# KiCad board Thor_20_expansion.kicad_pcb
title: QPlane Backplane for Sinclair QL; date: 2023-12-26; rev: 0.1; company: (C) 2023 Alvaro Alea Fdz.; note: https://ohwr.org/cern_ohl_s_v2.txt; note: CERN Open Hardware Licence Version 2 - Strongly Reciprocal; note: Under License
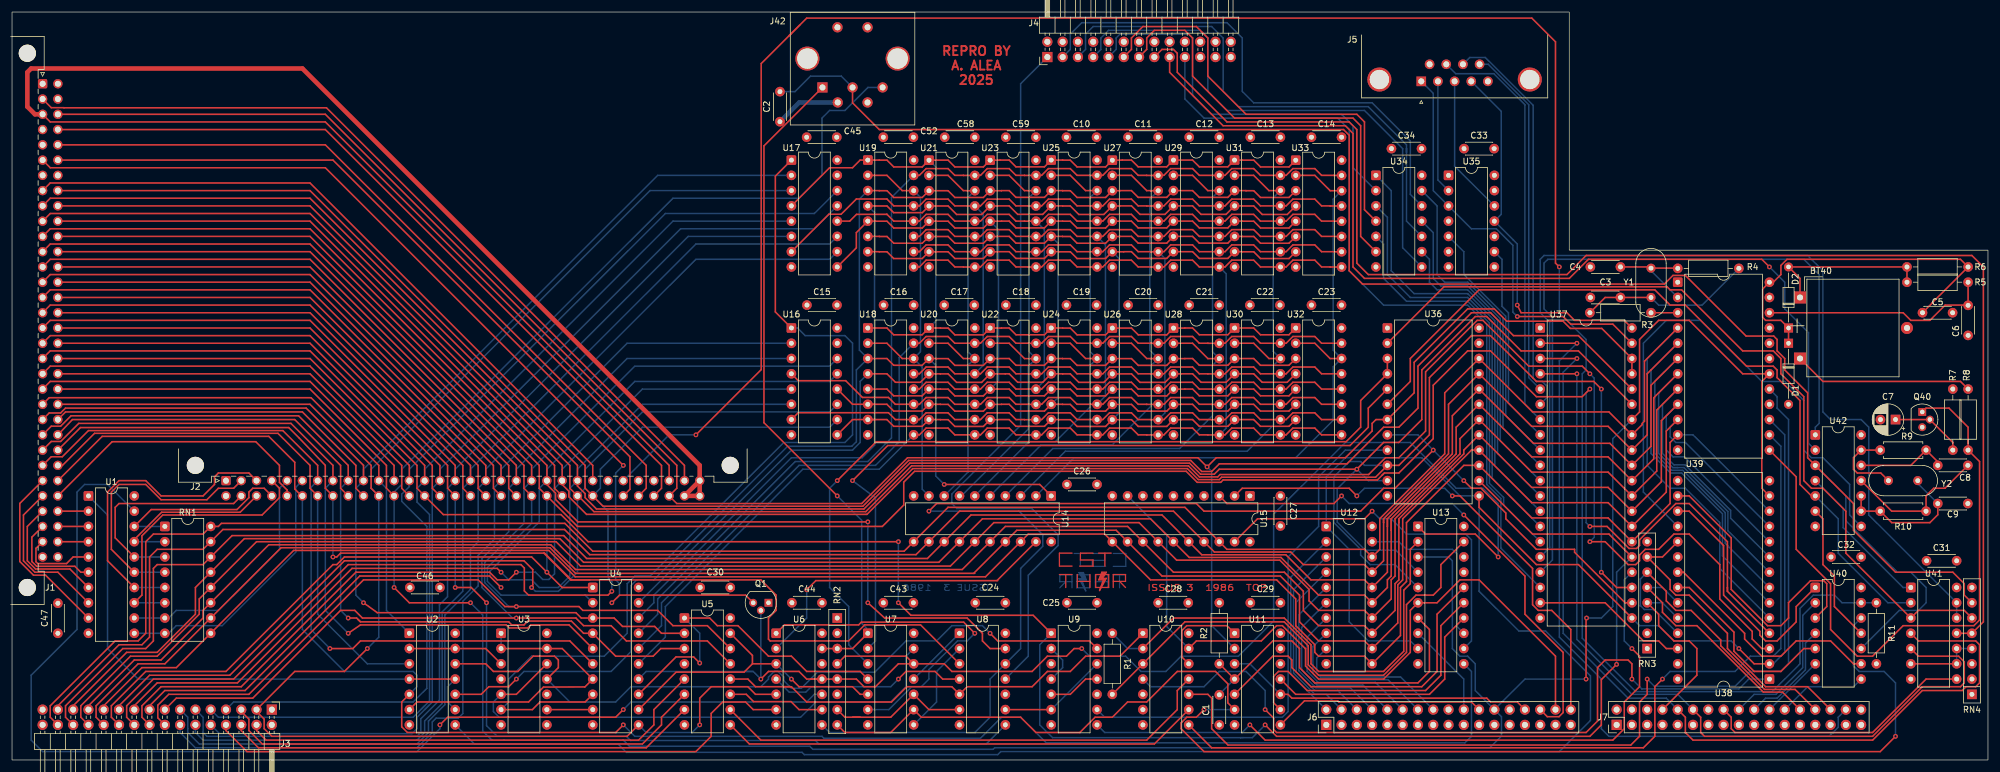
[diagram p0: board, top side]
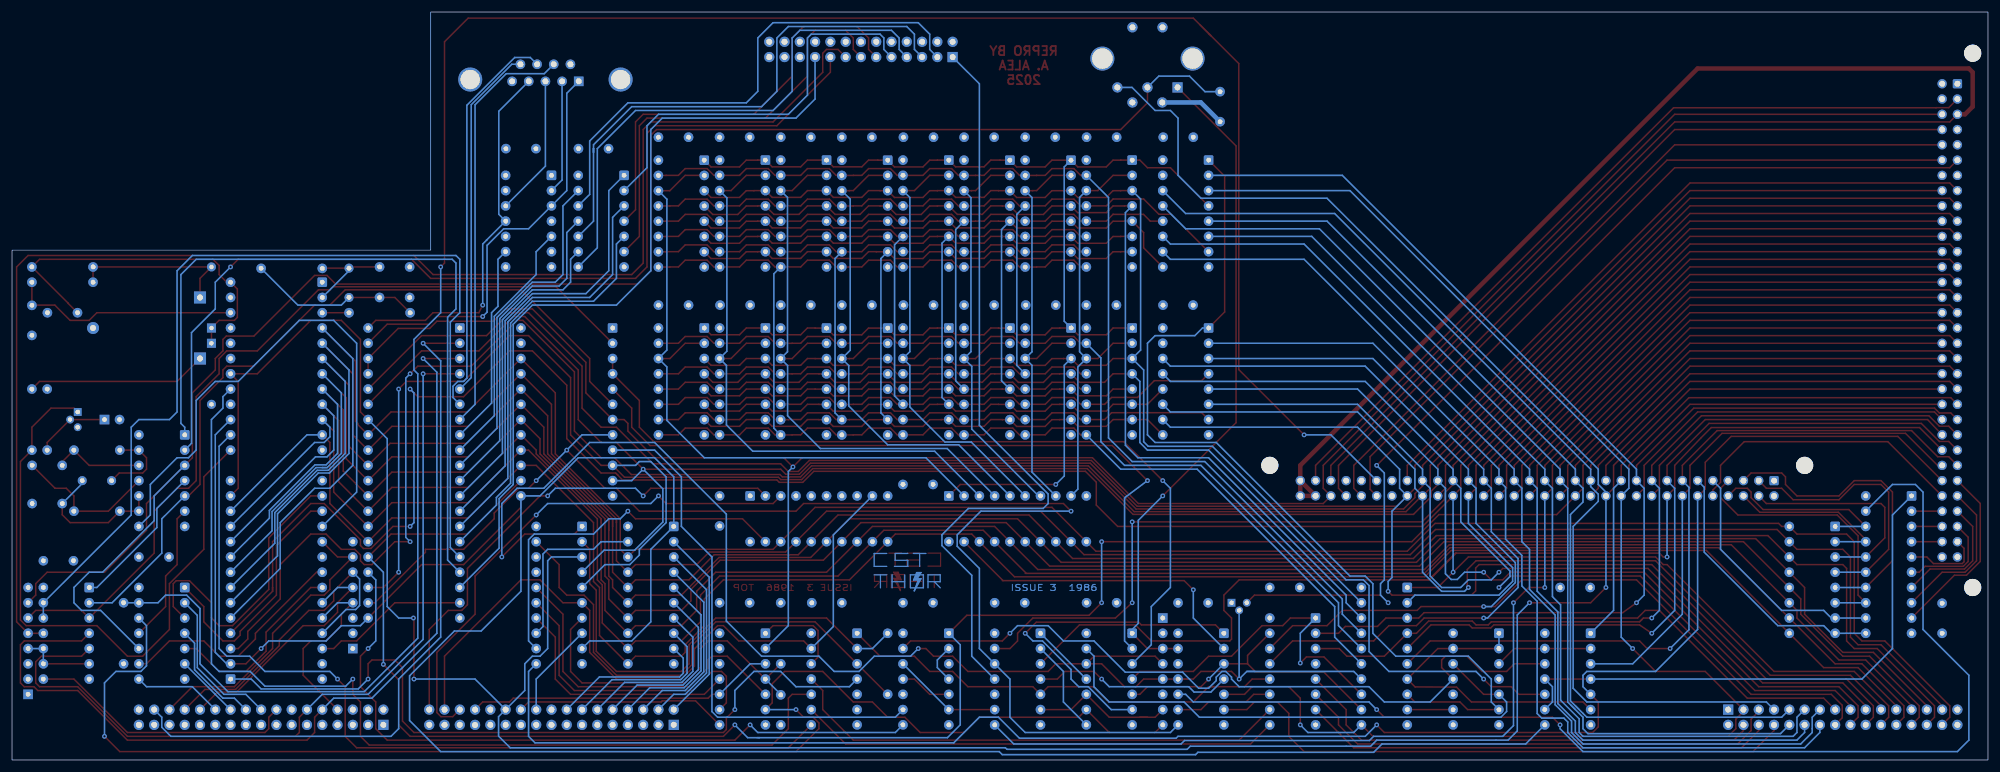
[diagram p1: board, bottom side, seen from below]

Outline 328.42 x 124.46 mm; copper layers: Top, In1.Cu, In2.Cu, Bottom. Coordinates in mm from the lower left corner of the outline.
Outline path: 0,0 328.42,0 328.42,84.84 258.83,84.84 258.83,124.46 0,124.46 closed
Stack: Top 0.035mm / dielectric 0.1mm FR4 er 4.5 / In1.Cu 0.035mm / dielectric 1.24mm FR4 er 4.5 / In2.Cu 0.035mm / dielectric 0.1mm FR4 er 4.5 / Bottom 0.035mm

## Placement (name value [footprint] x y rotation side)
BT40  Battery_Cell  [BatteryHolder_CST_Thor]  297.18 76.96 0 top
C1  100n  [C_Disc_D4.3mm_W1.9mm_P5.00mm]  200.66 5.84 90 top
C2  100n  [C_Disc_D4.3mm_W1.9mm_P5.00mm]  127.63 106.21 90 top
C3  100n  [C_Disc_D4.3mm_W1.9mm_P5.00mm]  267.34 76.96 180 top
C4  100n  [C_Disc_D4.3mm_W1.9mm_P5.00mm]  267.34 82.04 180 top
C5  100n  [C_Disc_D4.3mm_W1.9mm_P5.00mm]  317.54 74.42 0 top
C6  100n  [C_Disc_D4.3mm_W1.9mm_P5.00mm]  325.12 75.65 270 top
C7  C_Polarized  [CP_Radial_D5.0mm_P2.50mm]  313.06 56.64 180 top
C8  100n  [C_Disc_D4.3mm_W1.9mm_P5.00mm]  320.08 49.02 0 top
C9  100n  [C_Disc_D4.3mm_W1.9mm_P5.00mm]  325.08 42.67 180 top
C10  100n  [C_Disc_D4.3mm_W1.9mm_P5.00mm]  175.26 103.63 0 top
C11  100n  [C_Disc_D4.3mm_W1.9mm_P5.00mm]  185.5 103.63 0 top
C12  100n  [C_Disc_D4.3mm_W1.9mm_P5.00mm]  195.66 103.63 0 top
C13  100n  [C_Disc_D4.3mm_W1.9mm_P5.00mm]  205.82 103.63 0 top
C14  100n  [C_Disc_D4.3mm_W1.9mm_P5.00mm]  215.98 103.63 0 top
C15  100n  [C_Disc_D4.3mm_W1.9mm_P5.00mm]  132.12 75.69 0 top
C16  100n  [C_Disc_D4.3mm_W1.9mm_P5.00mm]  144.86 75.69 0 top
C17  100n  [C_Disc_D4.3mm_W1.9mm_P5.00mm]  154.94 75.69 0 top
C18  100n  [C_Disc_D4.3mm_W1.9mm_P5.00mm]  165.18 75.69 0 top
C19  100n  [C_Disc_D4.3mm_W1.9mm_P5.00mm]  175.26 75.69 0 top
C20  100n  [C_Disc_D4.3mm_W1.9mm_P5.00mm]  185.5 75.69 0 top
C21  100n  [C_Disc_D4.3mm_W1.9mm_P5.00mm]  195.66 75.69 0 top
C22  100n  [C_Disc_D4.3mm_W1.9mm_P5.00mm]  205.74 75.69 0 top
C23  100n  [C_Disc_D4.3mm_W1.9mm_P5.00mm]  215.98 75.69 0 top
C24  100n  [C_Disc_D4.3mm_W1.9mm_P5.00mm]  165.1 26.16 180 top
C25  100n  [C_Disc_D4.3mm_W1.9mm_P5.00mm]  180.34 26.16 180 top
C26  100n  [C_Disc_D4.3mm_W1.9mm_P5.00mm]  175.34 45.85 0 top
C27  100n  [C_Disc_D4.3mm_W1.9mm_P5.00mm]  210.82 43.94 270 top
C28  100n  [C_Disc_D4.3mm_W1.9mm_P5.00mm]  195.5 26.16 180 top
C29  100n  [C_Disc_D4.3mm_W1.9mm_P5.00mm]  210.82 26.16 180 top
C30  100n  [C_Disc_D4.3mm_W1.9mm_P5.00mm]  119.38 28.7 180 top
C31  100n  [C_Disc_D4.3mm_W1.9mm_P5.00mm]  323.22 33.15 180 top
C32  100n  [C_Disc_D4.3mm_W1.9mm_P5.00mm]  307.34 33.78 180 top
C33  100n  [C_Disc_D4.3mm_W1.9mm_P5.00mm]  241.34 101.73 0 top
C34  100n  [C_Disc_D4.3mm_W1.9mm_P5.00mm]  229.28 101.73 0 top
C43  100n  [C_Disc_D4.3mm_W1.9mm_P5.00mm]  149.82 26.16 180 top
C44  100n  [C_Disc_D4.3mm_W1.9mm_P5.00mm]  134.62 26.16 180 top
C45  100n  [C_Disc_D4.3mm_W1.9mm_P5.00mm]  132.08 103.63 0 top
C46  100n  [C_Disc_D4.3mm_W1.9mm_P5.00mm]  71.12 28.7 180 top
C47  100n  [C_Disc_D4.3mm_W1.9mm_P5.00mm]  7.62 21.08 90 top
C52  100n  [C_Disc_D4.3mm_W1.9mm_P5.00mm]  144.82 103.63 0 top
C58  100n  [C_Disc_D4.3mm_W1.9mm_P5.00mm]  155.02 103.63 0 top
C59  100n  [C_Disc_D4.3mm_W1.9mm_P5.00mm]  165.18 103.63 0 top
D1  D  [D_DO-34_SOD68_P10.16mm_Horizontal]  295.28 69.34 270 top
D2  D  [D_DO-34_SOD68_P10.16mm_Horizontal]  295.28 71.88 90 top
J1  QL_SLOT_DIN41612_CARD  [DIN41612_B_2x32_Female_Horizontal_THT]  5.08 112.52 90 top
J2  QL_SLOT_DIN41612_CARD  [DIN41612_B_2x32_Male_Horizontal_THT]  35.55 46.48 0 top
J3  EPROM CARD  [PinHeader_2x16_P2.54mm_Horizontal]  43.18 8.38 270 top
J4  Conn_02x13_Counter_Clockwise  [PinHeader_2x13_P2.54mm_Horizontal]  172.08 116.97 90 top
J5  DE9_Receptacle_MountingHoles  [DSUB-9_Female_Horizontal_P2.77x2.84mm_EdgePinOffset4.94mm_Housed_MountingHolesOffset7.48mm]  234.23 112.93 180 top
J6  Conn_02x17_Counter_Clockwise  [PinHeader_2x17_P2.54mm_Vertical]  218.44 5.84 90 top
J7  Conn_02x17_Counter_Clockwise  [PinHeader_2x17_P2.54mm_Vertical]  266.7 5.84 90 top
J42  DIN-5  [DIN-5-female-pcb-horizontal]  137.2 121.91 180 top
Q1  NPN  [TO-92]  125.73 26.16 180 top
Q40  NPN  [TO-92]  317.5 57.91 270 top
R1  R  [R_Axial_DIN0207_L6.3mm_D2.5mm_P10.16mm_Horizontal]  182.88 10.92 90 top
R2  R  [R_Axial_DIN0207_L6.3mm_D2.5mm_P10.16mm_Horizontal]  200.66 26.16 270 top
R3  R  [R_Axial_DIN0207_L6.3mm_D2.5mm_P10.16mm_Horizontal]  262.25 74.42 0 top
R4  R  [R_Axial_DIN0207_L6.3mm_D2.5mm_P10.16mm_Horizontal]  276.86 81.8 0 top
R5  R  [R_Axial_DIN0207_L6.3mm_D2.5mm_P10.16mm_Horizontal]  325.12 82.04 180 top
R6  R  [R_Axial_DIN0207_L6.3mm_D2.5mm_P10.16mm_Horizontal]  314.96 79.5 0 top
R7  R  [R_Axial_DIN0207_L6.3mm_D2.5mm_P10.16mm_Horizontal]  322.58 61.72 270 top
R8  R  [R_Axial_DIN0207_L6.3mm_D2.5mm_P10.16mm_Horizontal]  325.12 61.72 270 top
R9  R  [R_Axial_DIN0207_L6.3mm_D2.5mm_P7.62mm_Horizontal]  318.14 51.56 180 top
R10  R  [R_Axial_DIN0207_L6.3mm_D2.5mm_P7.62mm_Horizontal]  318.14 41.4 180 top
R11  R  [R_Axial_DIN0207_L6.3mm_D2.5mm_P10.16mm_Horizontal]  309.88 16 90 top
RN1  R_Pack08  [DIP-16_W7.62mm]  25.4 38.86 0 top
RN2  R_Network07_Split  [R_Array_SIP8]  137.16 23.62 270 top
RN3  R_Network07_Split  [R_Array_SIP8]  271.78 18.54 90 top
RN4  R_Network07_Split  [R_Array_SIP8]  325.75 10.92 90 top
U1  74LS245  [DIP-20_W7.62mm]  12.7 43.94 0 top
U2  74LS04  [DIP-14_W7.62mm]  66.04 21.08 0 top
U3  74LS74  [DIP-14_W7.62mm]  81.28 21.08 0 top
U4  GAL16V8  [DIP-20_W7.62mm]  96.52 28.7 0 top
U5  74LS139  [DIP-16_W7.62mm]  111.76 23.62 0 top
U6  74LS04  [DIP-14_W7.62mm]  127 21.08 0 top
U7  74LS08  [DIP-14_W7.62mm]  142.24 21.08 0 top
U8  74LS03  [DIP-14_W7.62mm]  157.48 21.08 0 top
U9  74LS113  [DIP-14_W7.62mm]  172.72 21.08 0 top
U10  74LS04  [DIP-14_W7.62mm]  187.96 21.08 0 top
U11  74LS05  [DIP-14_W7.62mm]  203.2 21.08 0 top
U12  74LS638  [DIP-20_W7.62mm]  218.44 38.86 0 top
U13  GAL16V8  [DIP-20_W7.62mm]  233.68 38.86 0 top
U14  74LS245  [DIP-20_W7.62mm]  172.72 43.94 270 top
U15  74LS245  [DIP-20_W7.62mm]  205.74 43.94 270 top
U16  74LS257  [DIP-16_W7.62mm]  129.54 71.88 0 top
U17  74LS257  [DIP-16_W7.62mm]  129.54 99.82 0 top
U18  MB81256  [DIP-16_W7.62mm]  142.24 71.88 0 top
U19  MB81256  [DIP-16_W7.62mm]  142.24 99.82 0 top
U20  MB81256  [DIP-16_W7.62mm]  152.4 71.88 0 top
U21  MB81256  [DIP-16_W7.62mm]  152.41 99.81 0 top
U22  MB81256  [DIP-16_W7.62mm]  162.57 71.87 0 top
U23  MB81256  [DIP-16_W7.62mm]  162.57 99.81 0 top
U24  MB81256  [DIP-16_W7.62mm]  172.72 71.88 0 top
U25  MB81256  [DIP-16_W7.62mm]  172.72 99.82 0 top
U26  MB81256  [DIP-16_W7.62mm]  182.88 71.87 0 top
U27  MB81256  [DIP-16_W7.62mm]  182.88 99.81 0 top
U28  MB81256  [DIP-16_W7.62mm]  193.05 71.87 0 top
U29  MB81256  [DIP-16_W7.62mm]  193.04 99.82 0 top
U30  MB81256  [DIP-16_W7.62mm]  203.2 71.88 0 top
U31  MB81256  [DIP-16_W7.62mm]  203.2 99.82 0 top
U32  MB81256  [DIP-16_W7.62mm]  213.36 71.88 0 top
U33  MB81256  [DIP-16_W7.62mm]  213.37 99.81 0 top
U34  74LS04  [DIP-14_W7.62mm]  226.69 97.28 0 top
U35  74LS74  [DIP-14_W7.62mm]  238.76 97.28 0 top
U36  MC6850  [DIP-24_W15.24mm]  228.6 71.88 0 top
U37  6821  [DIP-40_W15.24mm]  254 71.88 0 top
U38  FDC_WD1772  [DIP-28_W15.24mm]  292.1 13.46 180 top
U39  MC146818  [DIP-24_W15.24mm]  276.86 79.5 0 top
U40  74LS05  [DIP-14_W7.62mm]  299.72 28.7 0 top
U41  74LS03  [DIP-14_W7.62mm]  315.6 28.7 0 top
U42  74LS04  [DIP-14_W7.62mm]  299.72 54.1 0 top
Y1  Crystal  [Crystal_HC49-4H_Vertical]  272.42 76.96 90 top
Y2  Crystal  [Crystal_HC49-4H_Vertical]  311.88 46.48 0 top

## Library data of the parts
C1-C6 C8-C34 C43-C47 C52 C58 C59 = -: Description: Unpolarized capacitor; ki_fp_filters: C_*
C7 = -: Description: Polarized capacitor; ki_fp_filters: CP_*
D1 D2 = -: Description: Diode; Sim.Pins: 1=K 2=A; ki_fp_filters: TO-???* *_Diode_* *SingleDiode* D_*
J1 J2 = -: ki_fp_filters: DIN41612*2x*
J3 = -: Description: Generic connector, double row, 02x16, odd/even pin numbering scheme (row 1 odd numbers, row 2 even numbers), script generated (kicad-library-utils/schlib/autogen/connector/); ki_fp_filters: Connector*:*_2x??_*
J4 = -: Description: Generic connector, double row, 02x13, odd/even pin numbering scheme (row 1 odd numbers, row 2 even numbers), script generated (kicad-library-utils/schlib/autogen/connector/); ki_fp_filters: Connector*:*_2x??_*
J5 = -: ki_fp_filters: DSUB*Female*
J6 J7 = -: Description: Generic connector, double row, 02x17, odd/even pin numbering scheme (row 1 odd numbers, row 2 even numbers), script generated (kicad-library-utils/schlib/autogen/connector/); ki_fp_filters: Connector*:*_2x??_*
J42 = -: Datasheet: http://www.mouser.com/ds/2/18/40_c091_abd_e-75918.pdf; Description: 5-pin DIN connector; ki_fp_filters: DIN*
Q1 Q40 = -: Datasheet: https://ngspice.sourceforge.io/docs/ngspice-html-manual/manual.xhtml#cha_BJTs; Description: Bipolar transistor symbol for simulation only, substrate tied to the emitter; Sim.Type: GUMMELPOON; Sim.Pins: 1=C 2=B 3=E
R1-R8 R11 = -: Description: Resistor; ki_fp_filters: R_*
R9 R10 = -: ki_fp_filters: R_*
RN1 = -: ki_fp_filters: DIP* SOIC* R*Array*Concave* R*Array*Convex*
RN2-RN4 = -: Datasheet: http://www.vishay.com/docs/31509/csc.pdf; Description: 7 resistor network, star topology, bussed resistors, split; ki_fp_filters: R?Array?SIP*
U1 U12 U14 U15 = -: Datasheet: http://www.ti.com/lit/gpn/sn74LS245; ki_fp_filters: DIP?20*
U2 U6 = -: Datasheet: http://www.ti.com/lit/gpn/sn74LS04; ki_fp_filters: DIP*W7.62mm* SSOP?14* TSSOP?14*
U3 = -: Datasheet: 74xx/74hc_hct74.pdf; ki_fp_filters: DIP*W7.62mm*
U4 U13 = -: ki_fp_filters: DIP* PDIP* SOIC* SO* PLCC*
U5 = -: Datasheet: http://www.ti.com/lit/ds/symlink/sn74ls139a.pdf; ki_fp_filters: DIP?16*
U7 = -: Datasheet: http://www.ti.com/lit/gpn/sn74LS08; ki_fp_filters: DIP*W7.62mm*
U8 U41 = -: Datasheet: http://www.ti.com/lit/gpn/sn74LS03; Description: Quad 2-input NAND open collector; ki_fp_filters: DIP*W7.62mm**
U9 = -: Datasheet: http://www.ti.com/lit/gpn/sn74LS113; Description: dual JK flip-flop, Set; ki_fp_filters: DIP*W7.62mm*
U10 U34 U42 = -: Datasheet: http://www.ti.com/lit/gpn/sn74LS04; Description: Hex Inverter; ki_fp_filters: DIP*W7.62mm* SSOP?14* TSSOP?14*
U11 U40 = -: Datasheet: http://www.ti.com/lit/gpn/sn74LS05; Description: Inverter Open Collect; ki_fp_filters: DIP*W7.62mm*
U16 U17 = -: Datasheet: http://www.ti.com/lit/gpn/sn74LS257; ki_fp_filters: DIP?16*
U35 = -: Datasheet: 74xx/74hc_hct74.pdf; Description: Dual D Flip-flop, Set & Reset; ki_fp_filters: DIP*W7.62mm*
U36 U39 = -: Datasheet: http://pdf.datasheetcatalog.com/datasheet/motorola/MC6850.pdf; Description: Asynchronous Communications Interface Adapter 1MHz, DIP-40; ki_fp_filters: DIP*W15.24mm*
U37 = -: Datasheet: http://pdf.datasheetcatalog.com/datasheet/motorola/6821.pdf; Description: Peripheral Interface Adapter 1MHz, DIP-40; ki_fp_filters: DIP*W15.24mm*
U38 = -: Description: Floppy Disc Controller; ki_fp_filters: DIP*W15.24mm*
Y1 Y2 = -: Description: Two pin crystal; ki_fp_filters: Crystal*

## Footprints (pads in the part's own frame, mm; a bottom-side part is the same pattern mirrored in y, then rotated)
BatteryHolder_CST_Thor
  rect 2x2 hole 1: 1(0,0) 1(0,-10.16)
  round 2 hole 1: 2(17.78,-5.08)
C_Disc_D4.3mm_W1.9mm_P5.00mm
  round 1.6 hole 0.8: 1(0,0) 2(5,0)
CP_Radial_D5.0mm_P2.50mm
  rect 1.6x1.6 hole 0.8: 1(0,0)
  round 1.6 hole 0.8: 2(2.5,0)
Crystal_HC49-4H_Vertical
  round 1.5 hole 0.8: 1(0,0) 2(4.88,0)
D_DO-34_SOD68_P10.16mm_Horizontal
  rect 1.5x1.5 hole 0.75: 1(0,0)
  oval 1.5x1.5 hole 0.75: 2(10.16,0)
DIN41612_B_2x32_Female_Horizontal_THT
  round 2.85 hole 2.85 unplated: (-83.82,2.54) (5.08,2.54)
  rrect 1.55x1.55 hole 1: a1(0,0)
  round 1.55 hole 1: a2(-2.54,0) a3(-5.08,0) a4(-7.62,0) a5(-10.16,0) a6(-12.7,0) a7(-15.24,0) a8(-17.78,0) a9(-20.32,0) a10(-22.86,0) a11(-25.4,0) a12(-27.94,0) a13(-30.48,0) a14(-33.02,0) a15(-35.56,0) a16(-38.1,0) a17(-40.64,0) a18(-43.18,0) a19(-45.72,0) a20(-48.26,0) a21(-50.8,0) a22(-53.34,0) a23(-55.88,0) a24(-58.42,0) a25(-60.96,0) a26(-63.5,0) a27(-66.04,0) a28(-68.58,0) a29(-71.12,0) a30(-73.66,0) a31(-76.2,0) a32(-78.74,0) b1(0,-2.54) b2(-2.54,-2.54) b3(-5.08,-2.54) b4(-7.62,-2.54) b5(-10.16,-2.54) b6(-12.7,-2.54) b7(-15.24,-2.54) b8(-17.78,-2.54) b9(-20.32,-2.54) b10(-22.86,-2.54) b11(-25.4,-2.54) b12(-27.94,-2.54) b13(-30.48,-2.54) b14(-33.02,-2.54) b15(-35.56,-2.54) b16(-38.1,-2.54) b17(-40.64,-2.54) b18(-43.18,-2.54) b19(-45.72,-2.54) b20(-48.26,-2.54) b21(-50.8,-2.54) b22(-53.34,-2.54) b23(-55.88,-2.54) b24(-58.42,-2.54) b25(-60.96,-2.54) b26(-63.5,-2.54) b27(-66.04,-2.54) b28(-68.58,-2.54) b29(-71.12,-2.54) b30(-73.66,-2.54) b31(-76.2,-2.54) b32(-78.74,-2.54)
DIN41612_B_2x32_Male_Horizontal_THT
  round 2.85 hole 2.85 unplated: (-5.08,2.54) (83.82,2.54)
  rrect 1.55x1.55 hole 1: a1(0.01,0)
  round 1.55 hole 1: a2(2.55,0) a3(5.09,0) a4(7.63,0) a5(10.17,0) a6(12.71,0) a7(15.25,0) a8(17.79,0) a9(20.33,0) a10(22.87,0) a11(25.41,0) a12(27.95,0) a13(30.49,0) a14(33.03,0) a15(35.57,0) a16(38.11,0) a17(40.65,0) a18(43.19,0) a19(45.73,0) a20(48.27,0) a21(50.81,0) a22(53.35,0) a23(55.89,0) a24(58.43,0) a25(60.97,0) a26(63.51,0) a27(66.05,0) a28(68.59,0) a29(71.13,0) a30(73.67,0) a31(76.21,0) a32(78.75,0) b1(0.01,-2.54) b2(2.55,-2.54) b3(5.09,-2.54) b4(7.63,-2.54) b5(10.17,-2.54) b6(12.71,-2.54) b7(15.25,-2.54) b8(17.79,-2.54) b9(20.33,-2.54) b10(22.87,-2.54) b11(25.41,-2.54) b12(27.95,-2.54) b13(30.49,-2.54) b14(33.03,-2.54) b15(35.57,-2.54) b16(38.11,-2.54) b17(40.65,-2.54) b18(43.19,-2.54) b19(45.73,-2.54) b20(48.27,-2.54) b21(50.81,-2.54) b22(53.35,-2.54) b23(55.89,-2.54) b24(58.43,-2.54) b25(60.97,-2.54) b26(63.51,-2.54) b27(66.05,-2.54) b28(68.59,-2.54) b29(71.13,-2.54) b30(73.67,-2.54) b31(76.21,-2.54) b32(78.75,-2.54)
DIN-5-female-pcb-horizontal
  oval 1.7x1.7 hole 1: 0(-5,0) 2(-2.5,10) 3(-7.5,10) 4(-0.04,12.5) 5(-5,12.5) 9(0,0)
  rect 1.7x1.7 hole 1: 1(2.5,10)
  oval 4x4 hole 3.4: 9(-10,5.2) 9(5,5.2)
DIP-14_W7.62mm
  rrect 1.6x1.6 hole 0.8: 1(0,0)
  round 1.6 hole 0.8: 2(0,-2.54) 3(0,-5.08) 4(0,-7.62) 5(0,-10.16) 6(0,-12.7) 7(0,-15.24) 8(7.62,-15.24) 9(7.62,-12.7) 10(7.62,-10.16) 11(7.62,-7.62) 12(7.62,-5.08) 13(7.62,-2.54) 14(7.62,0)
DIP-16_W7.62mm
  rrect 1.6x1.6 hole 0.8: 1(0,0)
  round 1.6 hole 0.8: 2(0,-2.54) 3(0,-5.08) 4(0,-7.62) 5(0,-10.16) 6(0,-12.7) 7(0,-15.24) 8(0,-17.78) 9(7.62,-17.78) 10(7.62,-15.24) 11(7.62,-12.7) 12(7.62,-10.16) 13(7.62,-7.62) 14(7.62,-5.08) 15(7.62,-2.54) 16(7.62,0)
DIP-20_W7.62mm
  rrect 1.6x1.6 hole 0.8: 1(0,0)
  round 1.6 hole 0.8: 2(0,-2.54) 3(0,-5.08) 4(0,-7.62) 5(0,-10.16) 6(0,-12.7) 7(0,-15.24) 8(0,-17.78) 9(0,-20.32) 10(0,-22.86) 11(7.62,-22.86) 12(7.62,-20.32) 13(7.62,-17.78) 14(7.62,-15.24) 15(7.62,-12.7) 16(7.62,-10.16) 17(7.62,-7.62) 18(7.62,-5.08) 19(7.62,-2.54) 20(7.62,0)
DIP-24_W15.24mm
  rrect 1.6x1.6 hole 0.8: 1(0,0)
  round 1.6 hole 0.8: 2(0,-2.54) 3(0,-5.08) 4(0,-7.62) 5(0,-10.16) 6(0,-12.7) 7(0,-15.24) 8(0,-17.78) 9(0,-20.32) 10(0,-22.86) 11(0,-25.4) 12(0,-27.94) 13(15.24,-27.94) 14(15.24,-25.4) 15(15.24,-22.86) 16(15.24,-20.32) 17(15.24,-17.78) 18(15.24,-15.24) 19(15.24,-12.7) 20(15.24,-10.16) 21(15.24,-7.62) 22(15.24,-5.08) 23(15.24,-2.54) 24(15.24,0)
DIP-28_W15.24mm
  rrect 1.6x1.6 hole 0.8: 1(0,0)
  round 1.6 hole 0.8: 2(0,-2.54) 3(0,-5.08) 4(0,-7.62) 5(0,-10.16) 6(0,-12.7) 7(0,-15.24) 8(0,-17.78) 9(0,-20.32) 10(0,-22.86) 11(0,-25.4) 12(0,-27.94) 13(0,-30.48) 14(0,-33.02) 15(15.24,-33.02) 16(15.24,-30.48) 17(15.24,-27.94) 18(15.24,-25.4) 19(15.24,-22.86) 20(15.24,-20.32) 21(15.24,-17.78) 22(15.24,-15.24) 23(15.24,-12.7) 24(15.24,-10.16) 25(15.24,-7.62) 26(15.24,-5.08) 27(15.24,-2.54) 28(15.24,0)
DIP-40_W15.24mm
  rrect 1.6x1.6 hole 0.8: 1(0,0)
  round 1.6 hole 0.8: 2(0,-2.54) 3(0,-5.08) 4(0,-7.62) 5(0,-10.16) 6(0,-12.7) 7(0,-15.24) 8(0,-17.78) 9(0,-20.32) 10(0,-22.86) 11(0,-25.4) 12(0,-27.94) 13(0,-30.48) 14(0,-33.02) 15(0,-35.56) 16(0,-38.1) 17(0,-40.64) 18(0,-43.18) 19(0,-45.72) 20(0,-48.26) 21(15.24,-48.26) 22(15.24,-45.72) 23(15.24,-43.18) 24(15.24,-40.64) 25(15.24,-38.1) 26(15.24,-35.56) 27(15.24,-33.02) 28(15.24,-30.48) 29(15.24,-27.94) 30(15.24,-25.4) 31(15.24,-22.86) 32(15.24,-20.32) 33(15.24,-17.78) 34(15.24,-15.24) 35(15.24,-12.7) 36(15.24,-10.16) 37(15.24,-7.62) 38(15.24,-5.08) 39(15.24,-2.54) 40(15.24,0)
DSUB-9_Female_Horizontal_P2.77x2.84mm_EdgePinOffset4.94mm_Housed_MountingHolesOffset7.48mm
  round 4 hole 3.2: 0(-18.04,-0.3) 0(6.96,-0.3)
  rect 1.6x1.6 hole 1: 1(0,0)
  round 1.6 hole 1: 2(-2.77,0) 3(-5.54,0) 4(-8.31,0) 5(-11.08,0) 6(-1.385,-2.84) 7(-4.155,-2.84) 8(-6.925,-2.84) 9(-9.695,-2.84)
PinHeader_2x13_P2.54mm_Horizontal
  rect 1.7x1.7 hole 1: 1(0,0)
  oval 1.7x1.7 hole 1: 2(2.54,0) 3(0,-2.54) 4(2.54,-2.54) 5(0,-5.08) 6(2.54,-5.08) 7(0,-7.62) 8(2.54,-7.62) 9(0,-10.16) 10(2.54,-10.16) 11(0,-12.7) 12(2.54,-12.7) 13(0,-15.24) 14(2.54,-15.24) 15(0,-17.78) 16(2.54,-17.78) 17(0,-20.32) 18(2.54,-20.32) 19(0,-22.86) 20(2.54,-22.86) 21(0,-25.4) 22(2.54,-25.4) 23(0,-27.94) 24(2.54,-27.94) 25(0,-30.48) 26(2.54,-30.48)
PinHeader_2x16_P2.54mm_Horizontal
  rect 1.7x1.7 hole 1: 1(0,0)
  oval 1.7x1.7 hole 1: 2(2.54,0) 3(0,-2.54) 4(2.54,-2.54) 5(0,-5.08) 6(2.54,-5.08) 7(0,-7.62) 8(2.54,-7.62) 9(0,-10.16) 10(2.54,-10.16) 11(0,-12.7) 12(2.54,-12.7) 13(0,-15.24) 14(2.54,-15.24) 15(0,-17.78) 16(2.54,-17.78) 17(0,-20.32) 18(2.54,-20.32) 19(0,-22.86) 20(2.54,-22.86) 21(0,-25.4) 22(2.54,-25.4) 23(0,-27.94) 24(2.54,-27.94) 25(0,-30.48) 26(2.54,-30.48) 27(0,-33.02) 28(2.54,-33.02) 29(0,-35.56) 30(2.54,-35.56) 31(0,-38.1) 32(2.54,-38.1)
PinHeader_2x17_P2.54mm_Vertical
  rect 1.7x1.7 hole 1: 1(0,0)
  oval 1.7x1.7 hole 1: 2(2.54,0) 3(0,-2.54) 4(2.54,-2.54) 5(0,-5.08) 6(2.54,-5.08) 7(0,-7.62) 8(2.54,-7.62) 9(0,-10.16) 10(2.54,-10.16) 11(0,-12.7) 12(2.54,-12.7) 13(0,-15.24) 14(2.54,-15.24) 15(0,-17.78) 16(2.54,-17.78) 17(0,-20.32) 18(2.54,-20.32) 19(0,-22.86) 20(2.54,-22.86) 21(0,-25.4) 22(2.54,-25.4) 23(0,-27.94) 24(2.54,-27.94) 25(0,-30.48) 26(2.54,-30.48) 27(0,-33.02) 28(2.54,-33.02) 29(0,-35.56) 30(2.54,-35.56) 31(0,-38.1) 32(2.54,-38.1) 33(0,-40.64) 34(2.54,-40.64)
R_Array_SIP8
  rect 1.6x1.6 hole 0.8: 1(0,0)
  oval 1.6x1.6 hole 0.8: 2(2.54,0) 3(5.08,0) 4(7.62,0) 5(10.16,0) 6(12.7,0) 7(15.24,0) 8(17.78,0)
R_Axial_DIN0207_L6.3mm_D2.5mm_P7.62mm_Horizontal
  round 1.6 hole 0.8: 1(0,0)
  oval 1.6x1.6 hole 0.8: 2(7.62,0)
R_Axial_DIN0207_L6.3mm_D2.5mm_P10.16mm_Horizontal
  round 1.6 hole 0.8: 1(0,0)
  oval 1.6x1.6 hole 0.8: 2(10.16,0)
TO-92
  rect 1.3x1.3 hole 0.75: 1(0,0)
  round 1.3 hole 0.75: 2(1.27,1.27) 3(2.54,0)

## Nets
+5V: C10.1 C11.1 C12.1 C13.1 C14.1 C15.1 C16.1 C17.1 C18.1 C19.1 C20.1 C21.1 C22.1 C23.1 C24.1 C25.1 C26.1 C27.1 C28.1 C29.1 C30.1 C31.1 C32.1 C33.1 C34.1 C43.1 C44.1 C45.1 C46.1 C47.1 C52.1 C58.1 C59.1 D1.2 J1.a1 J1.b1 J1.b2 J3.31 J3.32 J5.5 J42.5 Q1.1 R2.1 R7.1 R11.1 RN2.1 RN3.1 RN4.1 U1.20 U2.14 U3.4 U3.10 U3.14 U4.20 U5.16 U6.14 U7.14 U8.10 U8.14 U9.2 U9.3 U9.4 U9.10 U9.14 U10.5 U10.14 U11.13 U11.14 U12.20 U13.20 U14.20 U15.1 U15.20 U16.16 U17.16 U18.8 U19.8 U20.8 U21.8 U22.8 U23.8 U24.8 U25.8 U26.8 U27.8 U28.8 U29.8 U30.8 U31.8 U32.8 U33.8 U34.14 U35.1 U35.4 U35.10 U35.13 U35.14 U36.12 U37.20 U38.15 U40.14 U41.14 U42.14
+12V: J1.a3 J2.a30 J2.a32 J2.b31 J2.b32
-12V: J1.a2 J2.a31
GND: BT40.2 C1.1 C2.1 C3.2 C4.2 C5.2 C6.2 C7.2 C9.1 C10.2 C11.2 C12.2 C13.2 C14.2 C15.2 C16.2 C17.2 C18.2 C19.2 C20.2 C21.2 C22.2 C23.2 C24.2 C25.2 C26.2 C27.2 C28.2 C29.2 C30.2 C31.2 C32.2 C33.2 C34.2 C43.2 C44.2 C45.2 C46.2 C47.2 C52.2 C58.2 C59.2 J1.a32 J1.b32 J2.a1 J2.a26 J2.a28 J2.a29 J2.b1 J2.b26 J3.1 J3.2 J4.2 J4.4 J4.6 J4.8 J4.10 J4.12 J4.14 J4.16 J4.18 J4.20 J4.22 J4.24 J5.0 J5.6 J6.1 J6.3 J6.5 J6.7 J6.9 J6.11 J6.13 J6.15 J6.17 J6.19 J6.21 J6.23 J6.25 J6.27 J6.29 J6.31 J6.33 J7.1 J7.3 J7.5 J7.7 J7.9 J7.11 J7.13 J7.15 J7.17 J7.19 J7.21 J7.23 J7.25 J7.27 J7.29 J7.31 J7.33 J42.4 Q40.3 U1.10 U2.7 U3.7 U4.10 U5.8 U6.7 U7.7 U8.7 U9.7 U10.7 U11.7 U12.10 U13.10 U14.10 U15.4 U15.5 U15.6 U15.7 U15.8 U15.10 U16.8 U16.15 U17.8 U17.15 U18.16 U19.16 U20.16 U21.16 U22.16 U23.16 U24.16 U25.16 U26.16 U27.16 U28.16 U29.16 U30.16 U31.16 U32.16 U33.16 U34.7 U35.7 U36.1 U36.23 U37.1 U38.14 U39.12 U40.7 U41.7 U42.7
68XX: U6.8 U8.12 U36.8 U37.22
/AS: J1.b28 J2.b5
/BERR: J1.b5 J2.b28
/BG: J1.b24 J2.b9
/BLUE: J1.b15 J2.b18
/BR: J1.b23 J2.b10
/CSYNC: J1.b20 J2.b13
/D0: J1.b29 U1.2
/D1: J1.b30 U1.3
/D2: J1.b31 U1.4
/D3: J1.a31 U1.5
/D4: J1.a30 U1.6
/D5: J1.a29 U1.7
/D6: J1.a28 U1.8
/D7: J1.a27 U1.9
/D'0: J2.b4 RN1.1 U1.18
/D'1: J2.b3 RN1.2 U1.17
/D'2: J2.b2 RN1.3 U1.16
/D'3: J2.a2 RN1.4 U1.15
/D'4: J2.a3 RN1.5 U1.14
/D'5: J2.a4 RN1.6 U1.13
/D'6: J2.a5 RN1.7 U1.12
/D'7: J2.a6 RN1.8 U1.11
/DBG: J1.a8 J2.a25
/discs interfaces/SCSI_ACK: J6.22 U11.8
/discs interfaces/SCSI_BUSY: J6.20 U13.8
/discs interfaces/SCSI_REQ: J6.32 U10.13 U13.6 U15.9
/discs interfaces/SCSI_SEL: J6.28 U11.3 U11.10
/FC1: J1.b13 J2.b20
/FC2: J1.b14 J2.b19
/Glue Logic/CLK_B: U2.12 U3.11 U9.13
/Glue Logic/~{DISC}: U5.12 U8.5 U10.1
/GREEN: J1.b16 J2.b17
/IPL0: J1.b6 J2.b27
/IPL1: J1.b4 J2.b29
/Memory/A15': J3.8 U6.6
/Memory/BLK0: U4.13 U5.1 U7.4
/Memory/CAS2BK0: U4.17 U19.15 U21.15 U23.15 U25.15 U27.15 U29.15 U31.15 U33.15
/Memory/CAS2BK1: U4.19 U18.4 U20.4 U22.4 U24.4 U26.4 U28.4 U30.4 U32.4
/Memory/NS1: J3.4 U5.5
/Memory/NS2: J3.5 U5.6
/Memory/NS3: J3.6 U5.7
/Memory/RA0: U17.9 U18.5 U19.5 U20.5 U21.5 U22.5 U23.5 U24.5 U25.5 U26.5 U27.5 U28.5 U29.5 U30.5 U31.5 U32.5 U33.5
/Memory/RA1: U16.12 U18.6 U19.6 U20.6 U21.6 U22.6 U23.6 U24.6 U25.6 U26.6 U27.6 U28.6 U29.6 U30.6 U31.6 U32.6 U33.6
/Memory/RA2: U16.9 U18.7 U19.7 U20.7 U21.7 U22.7 U23.7 U24.7 U25.7 U26.7 U27.7 U28.7 U29.7 U30.7 U31.7 U32.7 U33.7
/Memory/RA3: U17.12 U18.12 U19.12 U20.12 U21.12 U22.12 U23.12 U24.12 U25.12 U26.12 U27.12 U28.12 U29.12 U30.12 U31.12 U32.12 U33.12
/Memory/RA4: U16.4 U18.11 U19.11 U20.11 U21.11 U22.11 U23.11 U24.11 U25.11 U26.11 U27.11 U28.11 U29.11 U30.11 U31.11 U32.11 U33.11
/Memory/RA5: U16.7 U18.10 U19.10 U20.10 U21.10 U22.10 U23.10 U24.10 U25.10 U26.10 U27.10 U28.10 U29.10 U30.10 U31.10 U32.10 U33.10
/Memory/RA6: U17.7 U18.13 U19.13 U20.13 U21.13 U22.13 U23.13 U24.13 U25.13 U26.13 U27.13 U28.13 U29.13 U30.13 U31.13 U32.13 U33.13
/Memory/RA7: U4.15 U18.9 U19.9 U20.9 U21.9 U22.9 U23.9 U24.9 U25.9 U26.9 U27.9 U28.9 U29.9 U30.9 U31.9 U32.9 U33.9
/Memory/RA8: U17.4 U18.1 U19.1 U20.1 U21.1 U22.1 U23.1 U24.1 U25.1 U26.1 U27.1 U28.1 U29.1 U30.1 U31.1 U32.1 U33.1
/Memory/RAM_EN: U6.2 U14.19
/Memory/RAS2BK0: U4.18 U19.4 U21.4 U23.4 U25.4 U27.4 U29.4 U31.4 U33.4